# KiCad board nerdqaxe++.kicad_pcb
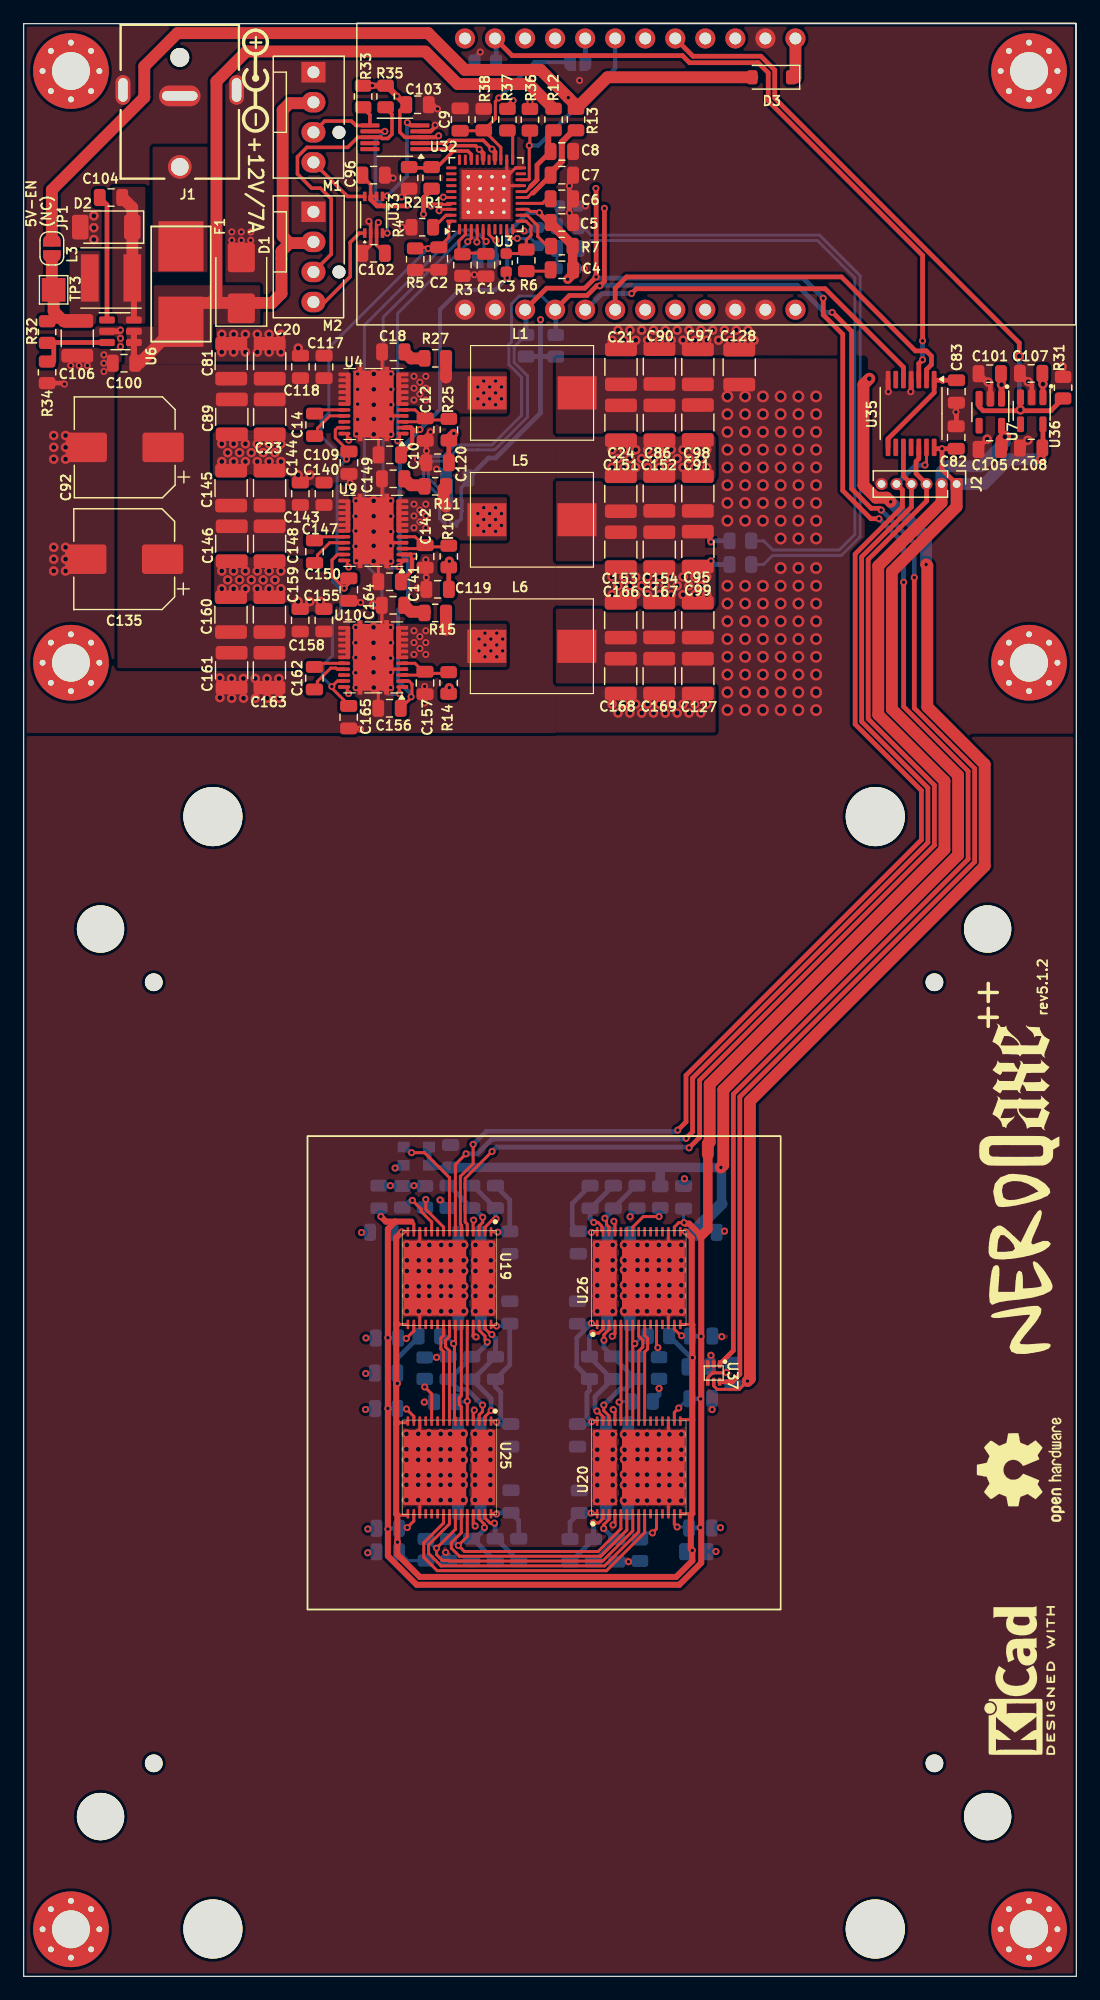
[diagram p0: board, top side]
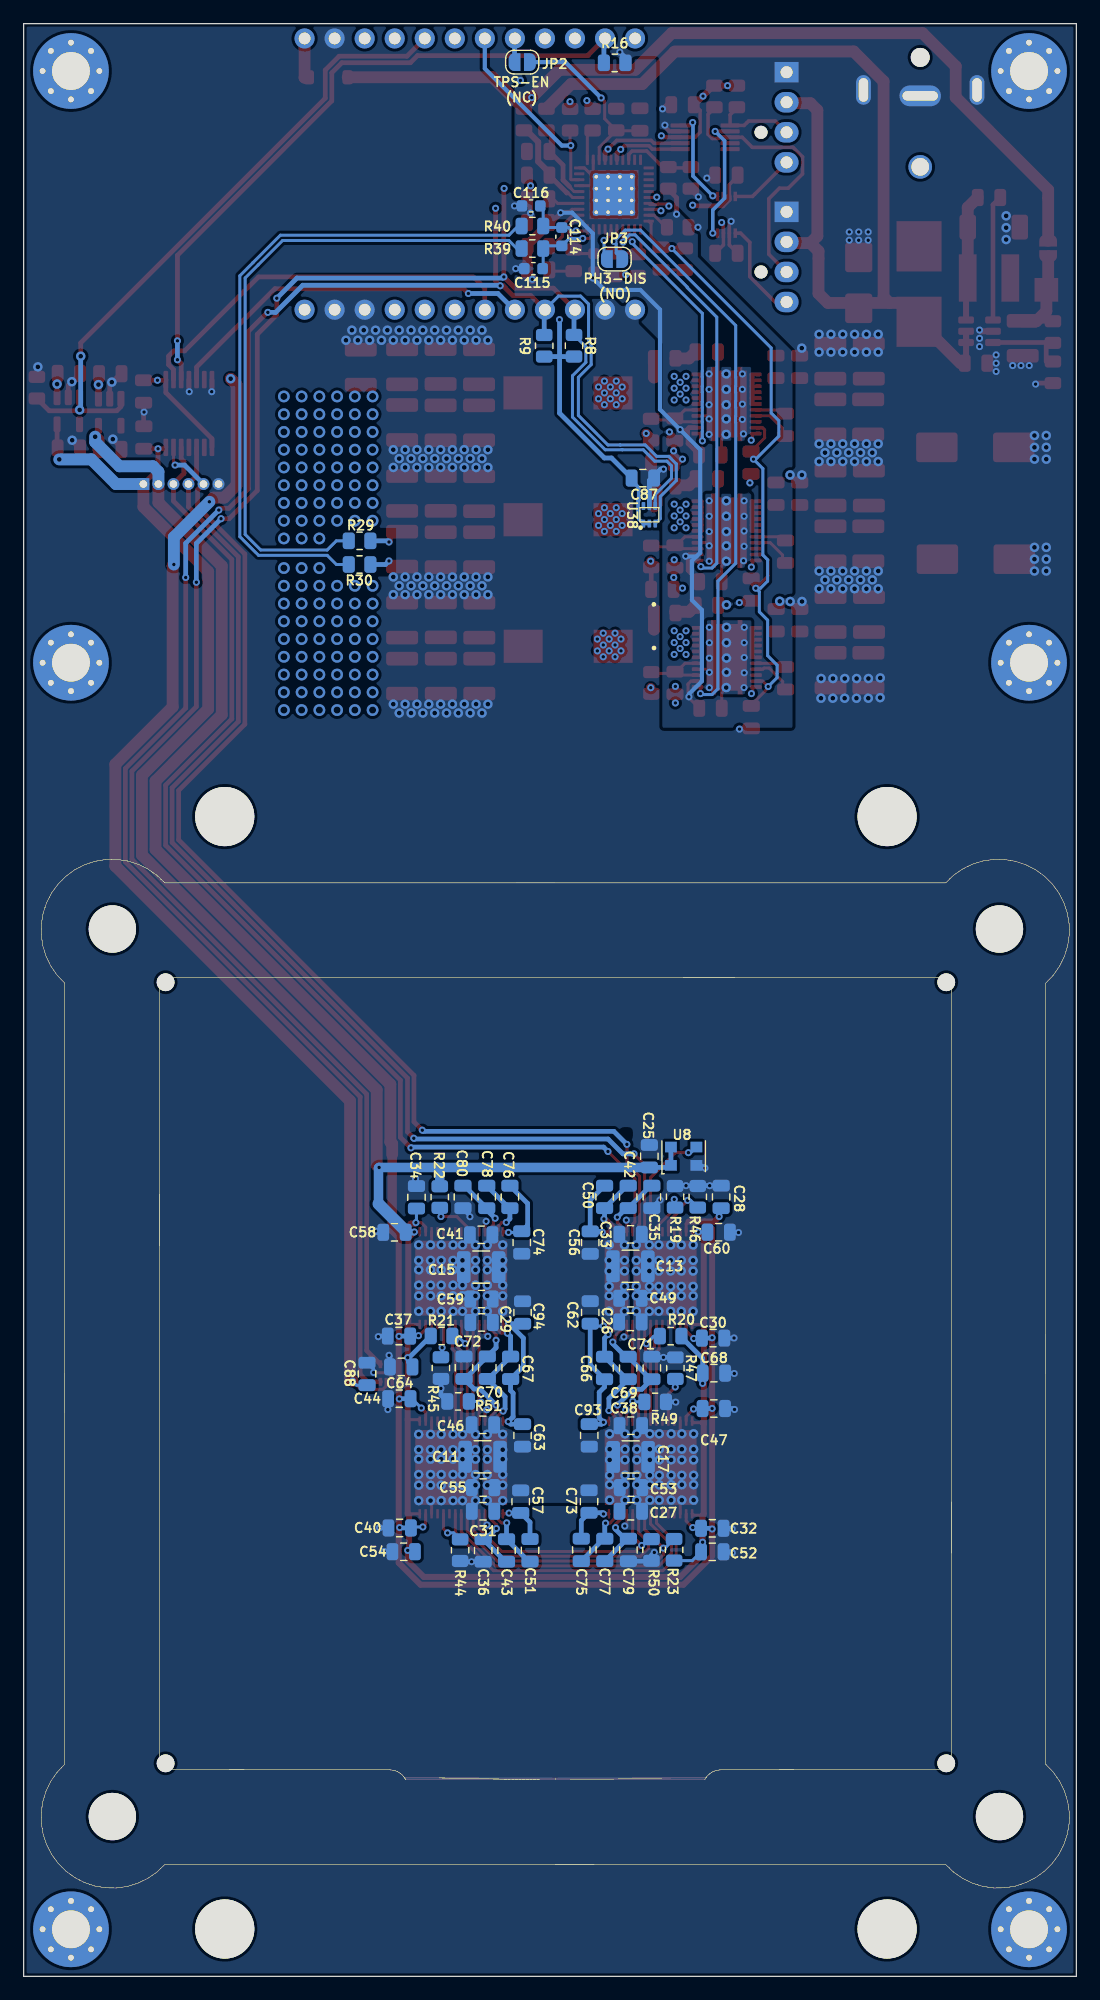
[diagram p1: board, bottom side, seen from below]

Outline 89 x 165 mm; copper layers: Top, In1.Cu, In2.Cu, In3.Cu, In4.Cu, Bottom. Coordinates in mm from the lower left corner of the outline.
Outline path: 0,165 0,0 89,0 89,165 0,165
Stack: Top 0.02mm / dielectric 0.1mm FR4 er 4.5 / In1.Cu 0.02mm / dielectric 0.565mm FR4 er 4.5 / In2.Cu 0.02mm / dielectric 0.1mm FR4 er 4.5 / In3.Cu 0.035mm / dielectric 0.565mm FR4 er 4.5 / In4.Cu 0.035mm / dielectric 0.1mm FR4 er 4.5 / Bottom 0.02mm

## Placement (name value [footprint] x y rotation side)
C1  2.2n  [C_0805_2012Metric]  39.08 144.6 270 top
C2  1n  [C_0805_2012Metric]  35.1 145.15 270 top
C3  12p  [C_0603_1608Metric]  40.79 144.8 270 top
C4  1n  [C_0805_2012Metric]  45.5 144.2 0 top
C5  330n  [C_0805_2012Metric]  45.5 148.2 0 top
C6  1µ/25V  [C_0805_2012Metric]  45.5 150.2 0 top
C7  4.7µ/16V  [C_0805_2012Metric]  45.5 152.2 180 top
C8  1µ/25V  [C_0805_2012Metric]  45.5 154.2 180 top
C9  1n  [C_0805_2012Metric]  36.9 156.9 90 top
C10  100n  [C_0805_2012Metric]  30.95 128.56 180 top
C11  100µ/10V  [C_1210_3225Metric]  50.2 43.9 0 bottom
C12  2.2µ  [C_0805_2012Metric]  33.95 130.7 270 top
C13  100µ/10V  [C_1210_3225Metric]  37.7 60 180 bottom
C14  100n  [C_0805_2012Metric]  24.6 131.1 90 top
C15  100µ/10V  [C_1210_3225Metric]  50.32 59.93 0 bottom
C17  100µ/10V  [C_1210_3225Metric]  37.68 43.89 180 bottom
C18  2.7n  [C_0805_2012Metric]  31.25 137.26 180 top
C20  22µ/25V  [C_1210_3225Metric]  20.8 136.47 90 top
C21  100µ/10V  [C_1210_3225Metric]  50.5 136 90 top
C23  22µ/25V  [C_1210_3225Metric]  20.8 131.78 270 top
C24  100µ/10V  [C_1210_3225Metric]  50.5 131.28 270 top
C25  100n  [C_0805_2012Metric]  36.1 69.3 90 bottom
C26  10µ/25V  [C_0805_2012Metric]  37.7 55.3 180 bottom
C27  10µ/25V  [C_0805_2012Metric]  37.67 39.3 180 bottom
C28  1µ/25V  [C_0805_2012Metric]  30.03 65.86 270 bottom
C29  10µ/25V  [C_0805_2012Metric]  50.28 55.25 0 bottom
C30  1µ/25V  [C_0805_2012Metric]  30.71 53.93 0 bottom
C31  10µ/25V  [C_0805_2012Metric]  50.16 39.3 0 bottom
C32  1µ/25V  [C_0805_2012Metric]  30.78 37.86 0 bottom
C33  1µ/25V  [C_0805_2012Metric]  37.69 62.7 180 bottom
C34  1µ/25V  [C_0805_2012Metric]  55.79 65.83 270 bottom
C35  1µ/25V  [C_0805_2012Metric]  35.89 65.86 90 bottom
C36  1µ/25V  [C_0805_2012Metric]  50.15 35.99 90 bottom
C37  1µ/25V  [C_0805_2012Metric]  57.27 54.1 180 bottom
C38  1µ/25V  [C_0805_2012Metric]  37.67 46.53 180 bottom
C40  1µ/25V  [C_0805_2012Metric]  57.21 37.89 180 bottom
C41  1µ/25V  [C_0805_2012Metric]  50.32 62.66 0 bottom
C42  1µ/25V  [C_0805_2012Metric]  37.89 65.86 90 bottom
C43  1µ/25V  [C_0805_2012Metric]  48.17 35.99 90 bottom
C44  1µ/25V  [C_0805_2012Metric]  57.24 48.81 180 bottom
C46  1µ/25V  [C_0805_2012Metric]  50.17 46.6 0 bottom
C47  1µ/25V  [C_0805_2012Metric]  30.65 47.98 0 bottom
C49  100n  [C_0805_2012Metric]  37.7 57.3 180 bottom
C50  1µ/25V  [C_0805_2012Metric]  39.89 65.86 90 bottom
C51  1µ/25V  [C_0805_2012Metric]  46.19 36 90 bottom
C52  1µ/25V  [C_0805_2012Metric]  30.78 35.87 180 bottom
C53  100n  [C_0805_2012Metric]  37.65 41.3 180 bottom
C54  1µ/25V  [C_0805_2012Metric]  56.87 35.88 0 bottom
C55  100n  [C_0805_2012Metric]  50.16 41.3 0 bottom
C56  1µ/25V  [C_0805_2012Metric]  41.1 62 270 bottom
C57  1µ/25V  [C_0805_2012Metric]  46.98 40.11 90 bottom
C58  1µ/25V  [C_0805_2012Metric]  57.65 62.87 0 bottom
C59  100n  [C_0805_2012Metric]  50.29 57.23 0 bottom
C60  1µ/25V  [C_0805_2012Metric]  30.24 62.88 180 bottom
C62  1µ/25V  [C_0805_2012Metric]  41.1 56.1 270 bottom
C63  1µ/25V  [C_0805_2012Metric]  46.82 45.71 90 bottom
C64  1µ/25V  [C_0805_2012Metric]  57.08 51.5 0 bottom
C66  1µ/25V  [C_0805_2012Metric]  39.89 51.41 90 bottom
C67  1µ/25V  [C_0805_2012Metric]  47.83 51.42 90 bottom
C68  1µ/25V  [C_0805_2012Metric]  30.64 50.97 180 bottom
C69  1µ/25V  [C_0805_2012Metric]  37.89 51.41 90 bottom
C70  1µ/25V  [C_0805_2012Metric]  49.8 51.43 90 bottom
C71  1µ/25V  [C_0805_2012Metric]  35.89 51.41 90 bottom
C72  1µ/25V  [C_0805_2012Metric]  51.77 51.43 90 bottom
C73  1µ/25V  [C_0805_2012Metric]  41.2 40.12 270 bottom
C74  1µ/25V  [C_0805_2012Metric]  46.89 62.01 90 bottom
C75  1µ/25V  [C_0805_2012Metric]  41.86 36.03 270 bottom
C76  1µ/25V  [C_0805_2012Metric]  47.89 65.86 270 bottom
C77  1µ/25V  [C_0805_2012Metric]  39.87 36.03 270 bottom
C78  1µ/25V  [C_0805_2012Metric]  49.85 65.86 270 bottom
C79  1µ/25V  [C_0805_2012Metric]  37.87 36.03 270 bottom
C80  1µ/25V  [C_0805_2012Metric]  51.86 65.86 270 bottom
C81  22µ/25V  [C_1210_3225Metric]  17.55 136.47 90 top
C82  100n  [C_0805_2012Metric]  78.84 130.03 90 top
C83  100n  [C_0805_2012Metric]  78.86 133.92 270 top
C86  330µ/4V  [C_1210_3225Metric]  53.75 131.28 270 top
C87  100n  [C_0805_2012Metric]  36.65 126.6 180 bottom
C88  100n  [C_0805_2012Metric]  59.97 50.9 90 bottom
C89  22µ/25V  [C_1210_3225Metric]  17.6 131.78 270 top
C90  330µ/4V  [C_1210_3225Metric]  53.75 136.03 90 top
C91  330µ/4V  [C_1210_3225Metric]  57 125.3 90 top
C92  220µ/25V  [CP_Elec_8x10]  8.54 129.2 180 top
C93  1µ/25V  [C_0805_2012Metric]  41.18 45.71 270 bottom
C94  1µ/25V  [C_0805_2012Metric]  46.82 56.09 90 bottom
C95  330µ/4V  [C_1210_3225Metric]  57 120.6 270 top
C96  100n  [C_0805_2012Metric]  29.59 152.2 0 top
C97  330µ/4V  [C_1210_3225Metric]  57 136 90 top
C98  330µ/4V  [C_1210_3225Metric]  57 131.3 270 top
C99  330µ/4V  [C_1210_3225Metric]  57 114.6 90 top
C100  10µ/25V  [C_0805_2012Metric]  8.48 136.31 180 top
C101  100n  [C_0805_2012Metric]  81.68 135.42 180 top
C102  100n  [C_0805_2012Metric]  29.59 145.6 180 top
C103  100n  [C_0805_2012Metric]  33.3 158.15 0 top
C104  10n  [C_0805_2012Metric]  7.38 150.31 0 top
C105  1µ/25V  [C_0805_2012Metric]  81.68 129.02 180 top
C106  22µ/25V  [C_1210_3225Metric]  4.53 138.41 270 top
C107  100n  [C_0805_2012Metric]  85.18 135.44 180 top
C108  1µ/25V  [C_0805_2012Metric]  85.18 129.14 180 top
C109  1n  [C_0805_2012Metric]  27.5 127.9 270 top
C114  22p  [C_0603_1608Metric]  43.5 147 90 bottom
C115  22p  [C_0603_1608Metric]  45.9 144.3 180 bottom
C116  22p  [C_0603_1608Metric]  46.1 149.6 0 bottom
C117  3.3n/25V  [C_0805_2012Metric]  25.4 136 90 top
C118  1µ/25V  [C_0805_2012Metric]  23.4 136 90 top
C119  10µ/25V  [C_0805_2012Metric]  35 117.2 180 top
C120  10µ/25V  [C_0805_2012Metric]  35 127.9 180 top
C127  330µ/4V  [C_1210_3225Metric]  57 109.86 270 top
C128  330µ/4V  [C_1210_3225Metric]  60.5 135.97 90 top
C135  220µ/25V  [CP_Elec_8x10]  8.5 119.75 180 top
C140  3.3n/25V  [C_0805_2012Metric]  25.39 125.28 90 top
C141  100n  [C_0805_2012Metric]  30.94 117.84 180 top
C142  2.2µ  [C_0805_2012Metric]  33.94 119.98 270 top
C143  1µ/25V  [C_0805_2012Metric]  23.39 125.28 90 top
C144  22µ/25V  [C_1210_3225Metric]  20.79 125.75 90 top
C145  22µ/25V  [C_1210_3225Metric]  17.54 125.75 90 top
C146  22µ/25V  [C_1210_3225Metric]  17.59 121.06 270 top
C147  100n  [C_0805_2012Metric]  24.59 120.38 90 top
C148  22µ/25V  [C_1210_3225Metric]  20.79 121.06 270 top
C149  2.7n  [C_0805_2012Metric]  31.24 126.54 180 top
C150  1n  [C_0805_2012Metric]  27.49 117.18 270 top
C151  100µ/10V  [C_1210_3225Metric]  50.49 125.28 90 top
C152  330µ/4V  [C_1210_3225Metric]  53.74 125.31 90 top
C153  100µ/10V  [C_1210_3225Metric]  50.49 120.56 270 top
C154  330µ/4V  [C_1210_3225Metric]  53.74 120.56 270 top
C155  3.3n/25V  [C_0805_2012Metric]  25.38 114.59 90 top
C156  100n  [C_0805_2012Metric]  30.93 107.15 180 top
C157  2.2µ  [C_0805_2012Metric]  33.93 109.29 270 top
C158  1µ/25V  [C_0805_2012Metric]  23.38 114.59 90 top
C159  22µ/25V  [C_1210_3225Metric]  20.78 115.06 90 top
C160  22µ/25V  [C_1210_3225Metric]  17.53 115.06 90 top
C161  22µ/25V  [C_1210_3225Metric]  17.58 110.36 270 top
C162  100n  [C_0805_2012Metric]  24.58 109.69 90 top
C163  22µ/25V  [C_1210_3225Metric]  20.78 110.36 270 top
C164  2.7n  [C_0805_2012Metric]  31.23 115.85 180 top
C165  1n  [C_0805_2012Metric]  27.48 106.4 270 top
C166  100µ/10V  [C_1210_3225Metric]  50.48 114.59 90 top
C167  330µ/4V  [C_1210_3225Metric]  53.73 114.61 90 top
C168  100µ/10V  [C_1210_3225Metric]  50.48 109.86 270 top
C169  330µ/4V  [C_1210_3225Metric]  53.73 109.86 270 top
D1  SMBJ12A  [D_SMB]  18.4 143.1 90 top
D2  PMEG4030EP,115  [D_SOD-128]  6.98 147.81 180 top
D3  1N5819  [D_SOD-123]  63.25 160.47 180 top
F1  8A  [fuseholder_littlefuse_blok]  13.3 143 90 top
G***  LOGO  [qaxelogo]  84.18 74.5 90 top
G***#2  -  [LOGO]  84.2 60.1 90 top
J1  5.5mm/8A  [GCT_DCJ250-20-B-XX-X_REVA1]  13.2 158.4 180 top
J2  Conn_01x06  [PinHeader_1x06_P1.27mm_Vertical]  78.88 126.1 270 top  (not fitted)
JP1  SolderJumper_2_Open  [SolderJumper-2_P1.3mm_Open_RoundedPad1.0x1.5mm]  2.38 146.01 90 top
JP2  SolderJumper_2_Open  [SolderJumper-2_P1.3mm_Open_RoundedPad1.0x1.5mm]  46.85 161.75 0 bottom
JP3  SolderJumper_2_Open  [SolderJumper-2_P1.3mm_Open_RoundedPad1.0x1.5mm]  39.04 145.11 0 bottom
L1  220nH  [IFLR-4031GC-01-8x10]  42.98 133.8 0 top
L3  4.7µH/2.3A/2.7A  [L_Taiyo-Yuden_NR-50xx]  7.38 143.51 180 top
L5  220nH  [IFLR-4031GC-01-8x10]  42.97 123.08 0 top
L6  220nH  [IFLR-4031GC-01-8x10]  42.97 112.39 0 top
M1  Fan_4pin  [FanPinHeader_1x04_P2.54mm_Vertical]  24.5 160.9 270 top
M2  Fan_4pin  [FanPinHeader_1x04_P2.54mm_Vertical]  24.5 149.1 270 top
R1  16.5k  [R_0805_2012Metric]  34.49 151.97 270 top
R2  24.3k  [R_0805_2012Metric]  32.59 151.97 90 top
R3  66.5k  [R_0805_2012Metric]  37.09 144.6 90 top
R4  100k  [R_0805_2012Metric]  33.7 147.8 0 top
R5  121k  [R_0805_2012Metric]  33.1 145.1 90 top
R6  8.06k  [R_0805_2012Metric]  42.49 145 90 top
R7  2.55k  [R_0805_2012Metric]  45.5 146.2 180 top
R8  3.3k  [R_0805_2012Metric]  42.47 137.79 90 bottom
R9  3.3k  [R_0805_2012Metric]  44.99 137.78 90 bottom
R10  1R/0.5W  [R_0805_2012Metric]  35.94 119.98 90 top
R11  1R/0.5W  [R_0805_2012Metric]  34.8 125.91 0 top
R12  2.2R/0.5W  [R_0805_2012Metric]  44.8 156.9 270 top
R13  2.2R/0.5W  [R_0805_2012Metric]  46.7 156.9 270 top
R14  1R/0.5W  [R_0805_2012Metric]  35.93 109.29 90 top
R15  1R/0.5W  [R_0805_2012Metric]  34.8 115.2 0 top
R16  10k  [R_0805_2012Metric]  39.03 161.69 180 bottom
R19  10k  [R_0805_2012Metric]  33.93 65.87 270 bottom
R20  10k  [R_0805_2012Metric]  34.3 54.1 180 bottom
R21  10k  [R_0805_2012Metric]  53.67 54.11 0 bottom
R22  10k  [R_0805_2012Metric]  53.82 65.85 90 bottom
R23  10k  [R_0805_2012Metric]  34.01 36.04 270 bottom
R25  1R/0.5W  [R_0805_2012Metric]  35.95 130.7 90 top
R27  1R/0.5W  [R_0805_2012Metric]  34.8 136.72 0 top
R29  0  [R_0805_2012Metric]  60.6 121.3 180 bottom
R30  0  [R_0805_2012Metric]  60.6 119.3 180 bottom
R31  10k  [R_0805_2012Metric]  87.88 134.24 90 top
R32  84.5k  [R_0805_2012Metric]  1.98 138.94 270 top
R33  2.7k  [R_0805_2012Metric]  28.7 158.85 270 top
R34  16.2k  [R_0805_2012Metric]  1.98 135.54 270 top
R35  2.7k  [R_0805_2012Metric]  30.6 158.85 270 top
R36  10k  [R_0805_2012Metric]  42.8 156.88 270 top
R37  10k  [R_0805_2012Metric]  40.9 156.89 270 top
R38  10k  [R_0805_2012Metric]  38.9 156.9 90 top
R39  100  [R_0805_2012Metric]  45.99 146 180 bottom
R40  100  [R_0805_2012Metric]  45.99 147.9 180 bottom
R44  1k  [R_0805_2012Metric]  52.1 36.01 270 bottom
R45  1k  [R_0805_2012Metric]  53.72 51.4 270 bottom
R46  1k  [R_0805_2012Metric]  32.01 65.87 90 bottom
R47  1k  [R_0805_2012Metric]  33.9 51.39 90 bottom
R49  2k  [R_0805_2012Metric]  35.61 48.54 0 bottom
R50  2k  [R_0805_2012Metric]  35.92 36.03 90 bottom
R51  2k  [R_0805_2012Metric]  52.27 48.58 180 bottom
REF**  -  [stencil-registration]  11 84 0 top  (not fitted)
REF**#2  -  [MountingHole_3.2mm_M3]  72 13.5 0 top
REF**#3  -  [MountingHole_3.2mm_M3_Pad_Via]  4 161 0 top
REF**#4  MountingHole_3.2mm_M3  [MountingHole_3.2mm_M3#2]  72 98 0 top
REF**#5  MountingHole_3.2mm_M3  [MountingHole_3.2mm_M3#4]  81.5 13.5 0 top
REF**#6  MountingHole_3.2mm_M3  [MountingHole_3.2mm_M3#4]  6.5 13.5 0 top
REF**#7  MountingHole_3.2mm_M3  [MountingHole_3.2mm_M3#4]  6.5 88.5 0 top
REF**#8  MountingHole_3.2mm_M3  [MountingHole_3.2mm_M3#3]  16 88.5 0 top
REF**#9  -  [MountingHole_3.2mm_M3]  16 13.5 0 top
REF**#10  -  [stencil-registration]  11 18 0 top  (not fitted)
REF**#11  -  [MountingHole_3.2mm_M3_Pad_Via]  85 161 0 top
REF**#12  -  [OSHW-Logo2_9.8x8mm_SilkScreen]  84.3 42.8 90 top
REF**#13  MountingHole_3.2mm_M3  [MountingHole_3.2mm_M3#4]  81.5 88.5 0 top
REF**#14  -  [stencil-registration]  77 18 0 top  (not fitted)
REF**#15  -  [MountingHole_3.2mm_M3_Pad_Via]  85 3.97 0 top
REF**#16  -  [MountingHole_3.2mm_M3_Pad_Via]  4 111 0 top
REF**#17  -  [MountingHole_3.2mm_M3_Pad_Via]  85 111 0 top
REF**#18  -  [KiCad-Logo2_5mm_SilkScreen]  84.2 25 90 top
REF**#19  -  [stencil-registration]  77 84 0 top  (not fitted)
REF**#20  -  [MountingHole_3.2mm_M3_Pad_Via]  4 3.97 0 top
TP3  3V3  [TestPoint_Pad_2.0x2.0mm]  2.53 142.51 0 top
U1  ~  [polarity]  19.6 160.4 90 top
U3  TPS53647  [Texas_RHA0040B_VQFN-40-1EP_6x6mm_P0.5mm_EP4.15x4.15mm_ThermalVias]  39.09 150.56 90 top
U4  CSD95472Q5MC  [CSD95472-SON-5x6]  29.58 132.86 0 top
U6  AP3211  [SOT-23-6]  8.18 139.01 0 top
U7  MCP1824T-0802E  [SOT-23-5]  81.73 132.17 270 top
U8  25MHz  [Oscillator_SMD_EuroQuartz_XO32-4Pin_3.2x2.5mm]  33.2 69.3 90 bottom
U9  CSD95472Q5MC  [CSD95472-SON-5x6]  29.56 122.14 0 top
U10  CSD95472Q5MC  [CSD95472-SON-5x6]  29.56 111.45 0 top
U19  BM1370_mode1  [BM1370]  36 59 270 top
U20  BM1370_mode1  [BM1370]  52 43 90 top
U25  BM1370_mode1  [BM1370]  36 43 270 top
U26  BM1370_mode1  [BM1370]  52 59 90 top
U30  -  [T-Display-S3]  58.56 152.29 90 top
U32  EMC2302-1  [MSOP-10_3x3mm_P0.5mm]  31.39 155.4 180 top
U33  TXU0102-DCU  [VSSOP-8_2.3x2mm_P0.5mm]  29.59 148.85 90 top
U35  TXU0304PW  [TSSOP-14_4.4x5mm_P0.65mm]  75.03 132.06 270 top
U36  MCP1824T-1202E  [SOT-23-5]  85.23 132.29 270 top
U37  TMP1075  [TMP1075-DRL]  58.34 50.98 270 top
U38  TMP1075  [TMP1075-DRL]  36.1 123.5 270 bottom

## Library data of the parts
C1 = -: Distributor: D; Manufacturer: C0805C222J2GACTU; OrderNr: 399-17628-1-ND; temp-coefficient: C0G; ki_fp_filters: C_*
C2 C4 C9 C109 C150 C165 = -: Distributor: D; Manufacturer: C0805C102J2GECTU; OrderNr: 399-C0805C102J2GECTUCT-ND; temp-coefficient: C0G; ki_fp_filters: C_*
C3 = -: Distributor: D; Manufacturer: C0805C120J5GACTU; OrderNr: 399-C0805C120J5GACTUCT-ND; temp-coefficient: C0G; ki_fp_filters: C_*
C5 = -: Distributor: D; Manufacturer: CL21B334KBFNNNE; OrderNr: 1276-1123-1-ND; temp-coefficient: X7R; ki_fp_filters: C_*
C6 C8 C28 C30 C32-C38 C40-C44 C46 C47 C50-C52 C54 C56-C58 C60 C62-C64 C66-C80 C93 C94 C105 C108 C118 C143 C158 = -: Distributor: D; Manufacturer: CL21B105KBFNNNE; OrderNr: 1276-1029-1-ND; temp-coefficient: X7R; ki_fp_filters: C_*
C7 = -: Distributor: D; Manufacturer: GRM21BR71C475KE51K; OrderNr: 490-GRM21BR71C475KE51KCT-ND; temp-coefficient: X7R; ki_fp_filters: C_*
C10 C141 C156 = -: Description: Unpolarized capacitor; Distributor: D; Manufacturer: C0805C104K5RACTU; OrderNr: 399-C0805C104K5RACTUCT-ND; temp-coefficient: X7R; ki_fp_filters: C_*
C11 C13 C15 C17 C21 C24 C151 C153 C166 C168 = -: Distributor: D; Manufacturer: C1210C107M8PAC7800; OrderNr: 399-C1210C107M8PAC7800CT-ND; temp-coefficient: X5R; ki_fp_filters: C_*
C12 C142 C157 = -: Description: Unpolarized capacitor; Distributor: D; Manufacturer: UMK212BB7225KG-T; OrderNr: 587-3169-1-ND; temp-coefficient: X7R; ki_fp_filters: C_*
C14 C25 C49 C53 C55 C59 C82 C83 C87 C88 C96 C101-C103 C107 C147 C162 = -: Distributor: D; Manufacturer: C0805C104K5RACTU; OrderNr: 399-C0805C104K5RACTUCT-ND; temp-coefficient: X7R; ki_fp_filters: C_*
C18 C149 C164 = -: Distributor: D; Manufacturer: C0805C272JAGACTU; OrderNr: 399-C0805C272JAGACTUCT-ND; temp-coefficient: C0G; ki_fp_filters: C_*
C20 C23 C81 C89 C106 C144-C146 C148 C159-C161 C163 = -: Distributor: D; Manufacturer: CL32B226KAJNNNE; OrderNr: 1276-3392-1-ND; temp-coefficient: X7R; ki_fp_filters: C_*
C26 C27 C29 C31 C100 C119 C120 = -: Distributor: D; Manufacturer: GRM21BZ71E106KE15L; OrderNr: 490-GRM21BZ71E106KE15LCT-ND; temp-coefficient: X7R; ki_fp_filters: C_*
C86 C90 C91 C95 C97-C99 C127 C128 C152 C154 C167 C169 = -: Distributor: D; Manufacturer: GRM32ER60G337ME05K; OrderNr: 490-GRM32ER60G337ME05KCT-ND; temp-coefficient: X5R; ki_fp_filters: C_*
C92 C135 = -: Distributor: D; Manufacturer: HHXE250ARA221MHA0G; OrderNr: 565-HHXE250ARA221MHA0GCT-ND; ki_fp_filters: CP_*
C104 = -: Distributor: D; Manufacturer: C0805C103J1GECTU; OrderNr: 399-C0805C103J1GECTUCT-ND; temp-coefficient: C0G; ki_fp_filters: C_*
C114-C116 = -: Description: Unpolarized capacitor, small symbol; Distributor: D; Manufacturer: CL21C220JBANFNC; OrderNr: 1276-2606-1-ND; temp-coefficient: C0G; ki_fp_filters: C_*
C117 C140 C155 = -: Distributor: D; Manufacturer: C0805C332J1GEC7210; OrderNr: 399-C0805C332J1GEC7210CT-ND; temp-coefficient: C0G; ki_fp_filters: C_*
D1 = -: Distributor: D; OrderNr: SMBJ12ALFCT-ND; ki_fp_filters: D?P600*
D2 = -: Distributor: D; OrderNr: 1727-5841-1-ND; ki_fp_filters: TO-???* *_Diode_* *SingleDiode* D_*
D3 = -: Datasheet: https://www.diodes.com/assets/Datasheets/ds16008.pdf; Sim.Device: D; Sim.Pins: 1=K 2=A; Distributor: D; Manufacturer: 1N5819HWQ-7-F; OrderNr: 31-1N5819HWQ-7-FCT-ND; ki_fp_filters: D*SMA*
F1 = -: Distributor: D; Manufacturer: 0154008.DR; OrderNr: F1239CT-ND; ki_fp_filters: *Fuse*
J1 = -: Description: DC Barrel Jack with a mounting pin; Distributor: D; Manufacturer: DCJ250-20-B-K1-A; OrderNr: 2073-DCJ250-20-B-K1-ACT-ND; ki_fp_filters: BarrelJack*
J2 = -: Distributor: -; ki_fp_filters: Connector*:*_1x??_*
JP1-JP3 = -: Description: Solder Jumper, 2-pole, open; Distributor: -; ki_fp_filters: SolderJumper*Open*
L1 L5 L6 = -: Distributor: D; Manufacturer: FP1008R5-R220-R; OrderNr: 283-FP1008R5-R220-RCT-ND; ki_fp_filters: Choke_* *Coil* Inductor_* L_*
L3 = -: Distributor: D; Manufacturer: 74404052047; OrderNr: 732-7244-1-ND; ki_fp_filters: Choke_* *Coil* Inductor_* L_*
M1 M2 = -: Datasheet: http://www.formfactors.org/developer%5Cspecs%5Crev1_2_public.pdf; Distributor: D; Manufacturer: 0470531000; OrderNr: WM4330-ND; ki_fp_filters: FanPinHeader*P2.54mm*Vertical* PinHeader*P2.54mm*Vertical* TerminalBlock*
R1 = -: Description: Resistor; Distributor: D; Manufacturer: CRCW080516K5FKEA; OrderNr: 541-16.5KCCT-ND; ki_fp_filters: R_*
R2 = -: Description: Resistor; Distributor: D; Manufacturer: RC0805FR-0724K3L; OrderNr: 311-24.3KCRCT-ND; ki_fp_filters: R_*
R3 = -: Description: Resistor; Distributor: D; Manufacturer: RC0805FR-0766K5L; OrderNr: 311-66.5KCRCT-ND; ki_fp_filters: R_*
R4 = -: Description: Resistor; Distributor: D; Manufacturer: RMCF0805FT100K; OrderNr: RMCF0805FT100KCT-ND; ki_fp_filters: R_*
R5 = -: Description: Resistor; Distributor: D; Manufacturer: RMCF0805FT121K; OrderNr: RMCF0805FT121KCT-ND; ki_fp_filters: R_*
R6 = -: Description: Resistor; Distributor: D; Manufacturer: RMCF0805FT8K06; OrderNr: RMCF0805FT8K06CT-ND; ki_fp_filters: R_*
R7 = -: Description: Resistor; Distributor: D; Manufacturer: RC0805FR-072K55L; OrderNr: 311-2.55KCRCT-ND; ki_fp_filters: R_*
R8 R9 = -: Distributor: D; Manufacturer: RC0805FR-073K3L; OrderNr: 311-3.30KCRCT-ND; ki_fp_filters: R_*
R10 R11 R14 R15 R25 R27 = -: Description: Resistor; Distributor: D; Manufacturer: CRCW08051R00FKEAHP; OrderNr: 541-1.00TCT-ND; ki_fp_filters: R_*
R12 R13 = -: Description: Resistor; Distributor: D; Manufacturer: RCS08052R20FKEA; OrderNr: 541-10524-1-ND; ki_fp_filters: R_*
R16 R19-R23 R31 R36 R38 = -: Distributor: D; Manufacturer: RMCF0805FT10K0; OrderNr: RMCF0805FT10K0CT-ND; ki_fp_filters: R_*
R29 R30 = -: Description: Resistor; Distributor: D; Manufacturer: RMCF0805ZT0R00; OrderNr: RMCF0805ZT0R00CT-ND; ki_fp_filters: R_*
R32 = -: Distributor: D; Manufacturer: RC0805FR-0784K5L; OrderNr: 311-84.5KCRCT-ND; ki_fp_filters: R_*
R33 R35 = -: Distributor: D; Manufacturer: RMCF0805FT2K70; OrderNr: RMCF0805FT2K70CT-ND; ki_fp_filters: R_*
R34 = -: Distributor: D; Manufacturer: RMCF0805FT16K2; OrderNr: RMCF0805FT16K2CT-ND; ki_fp_filters: R_*
R37 = -: Description: Resistor; Distributor: D; Manufacturer: RMCF0805FT10K0; OrderNr: RMCF0805FT10K0CT-ND; ki_fp_filters: R_*
R39 R40 = -: Description: Resistor, small symbol; Distributor: D; Manufacturer: RC0805FR-07100RL; OrderNr: 311-100CRCT-ND; ki_fp_filters: R_*
R44-R47 = -: Distributor: D; Manufacturer: RNCP0805FTD1K00; OrderNr: RNCP0805FTD1K00CT-ND; ki_fp_filters: R_*
R49-R51 = -: Distributor: D; Manufacturer: CRG0805F2K0; OrderNr: A126358CT-ND; ki_fp_filters: R_*
TP3 = -: Distributor: -; ki_fp_filters: Pin* Test*
U1 = -: Distributor: -
U3 = -: Distributor: D; Manufacturer: TPS53647RTAR; OrderNr: 296-51986-1-ND
U4 U9 U10 = -: Distributor: D; OrderNr: 296-43950-1-ND
U6 = -: Distributor: D; Manufacturer: AP3211KTR-G1; OrderNr: AP3211KTR-G1DICT-ND
U7 = -: Datasheet: https://ww1.microchip.com/downloads/en/DeviceDoc/22070a.pdf; Distributor: D; Manufacturer: MCP1824T-0802E/OT; OrderNr: MCP1824T-0802E/OTCT-ND
U8 = -: Datasheet: https://abracon.com/Oscillators/ASDMB.pdf; Distributor: D; Manufacturer: LFSPXO076024REEL; OrderNr: 1923-1664-1-ND; ki_fp_filters: Oscillator*SMD*Abracon*ASDMB*2.5x2.0mm*
U19 U20 U25 U26 U30 = -: Distributor: X
U32 = -: Distributor: D; Manufacturer: EMC2302-1-AIZL-TR; OrderNr: EMC2302-1-AIZL-CT-ND; Field7: Microchip
U33 = -: Distributor: D; Manufacturer: TXU0102DCUR; OrderNr: 296-TXU0102DCURCT-ND
U35 = -: Distributor: D; Manufacturer: TXU0304PWR; OrderNr: 296-TXU0304PWRCT-ND
U36 = -: Distributor: D; Manufacturer: MCP1824T-1202E/OT; OrderNr: MCP1824T-1202E/OTCT-ND
U37 U38 = -: Distributor: D; Manufacturer: TMP1075NDRLR; OrderNr: 296-TMP1075NDRLRCT-ND
